# Altium PCB Proyecto_0-Buck_Up.PcbDoc (part 3 of 5) (continued)
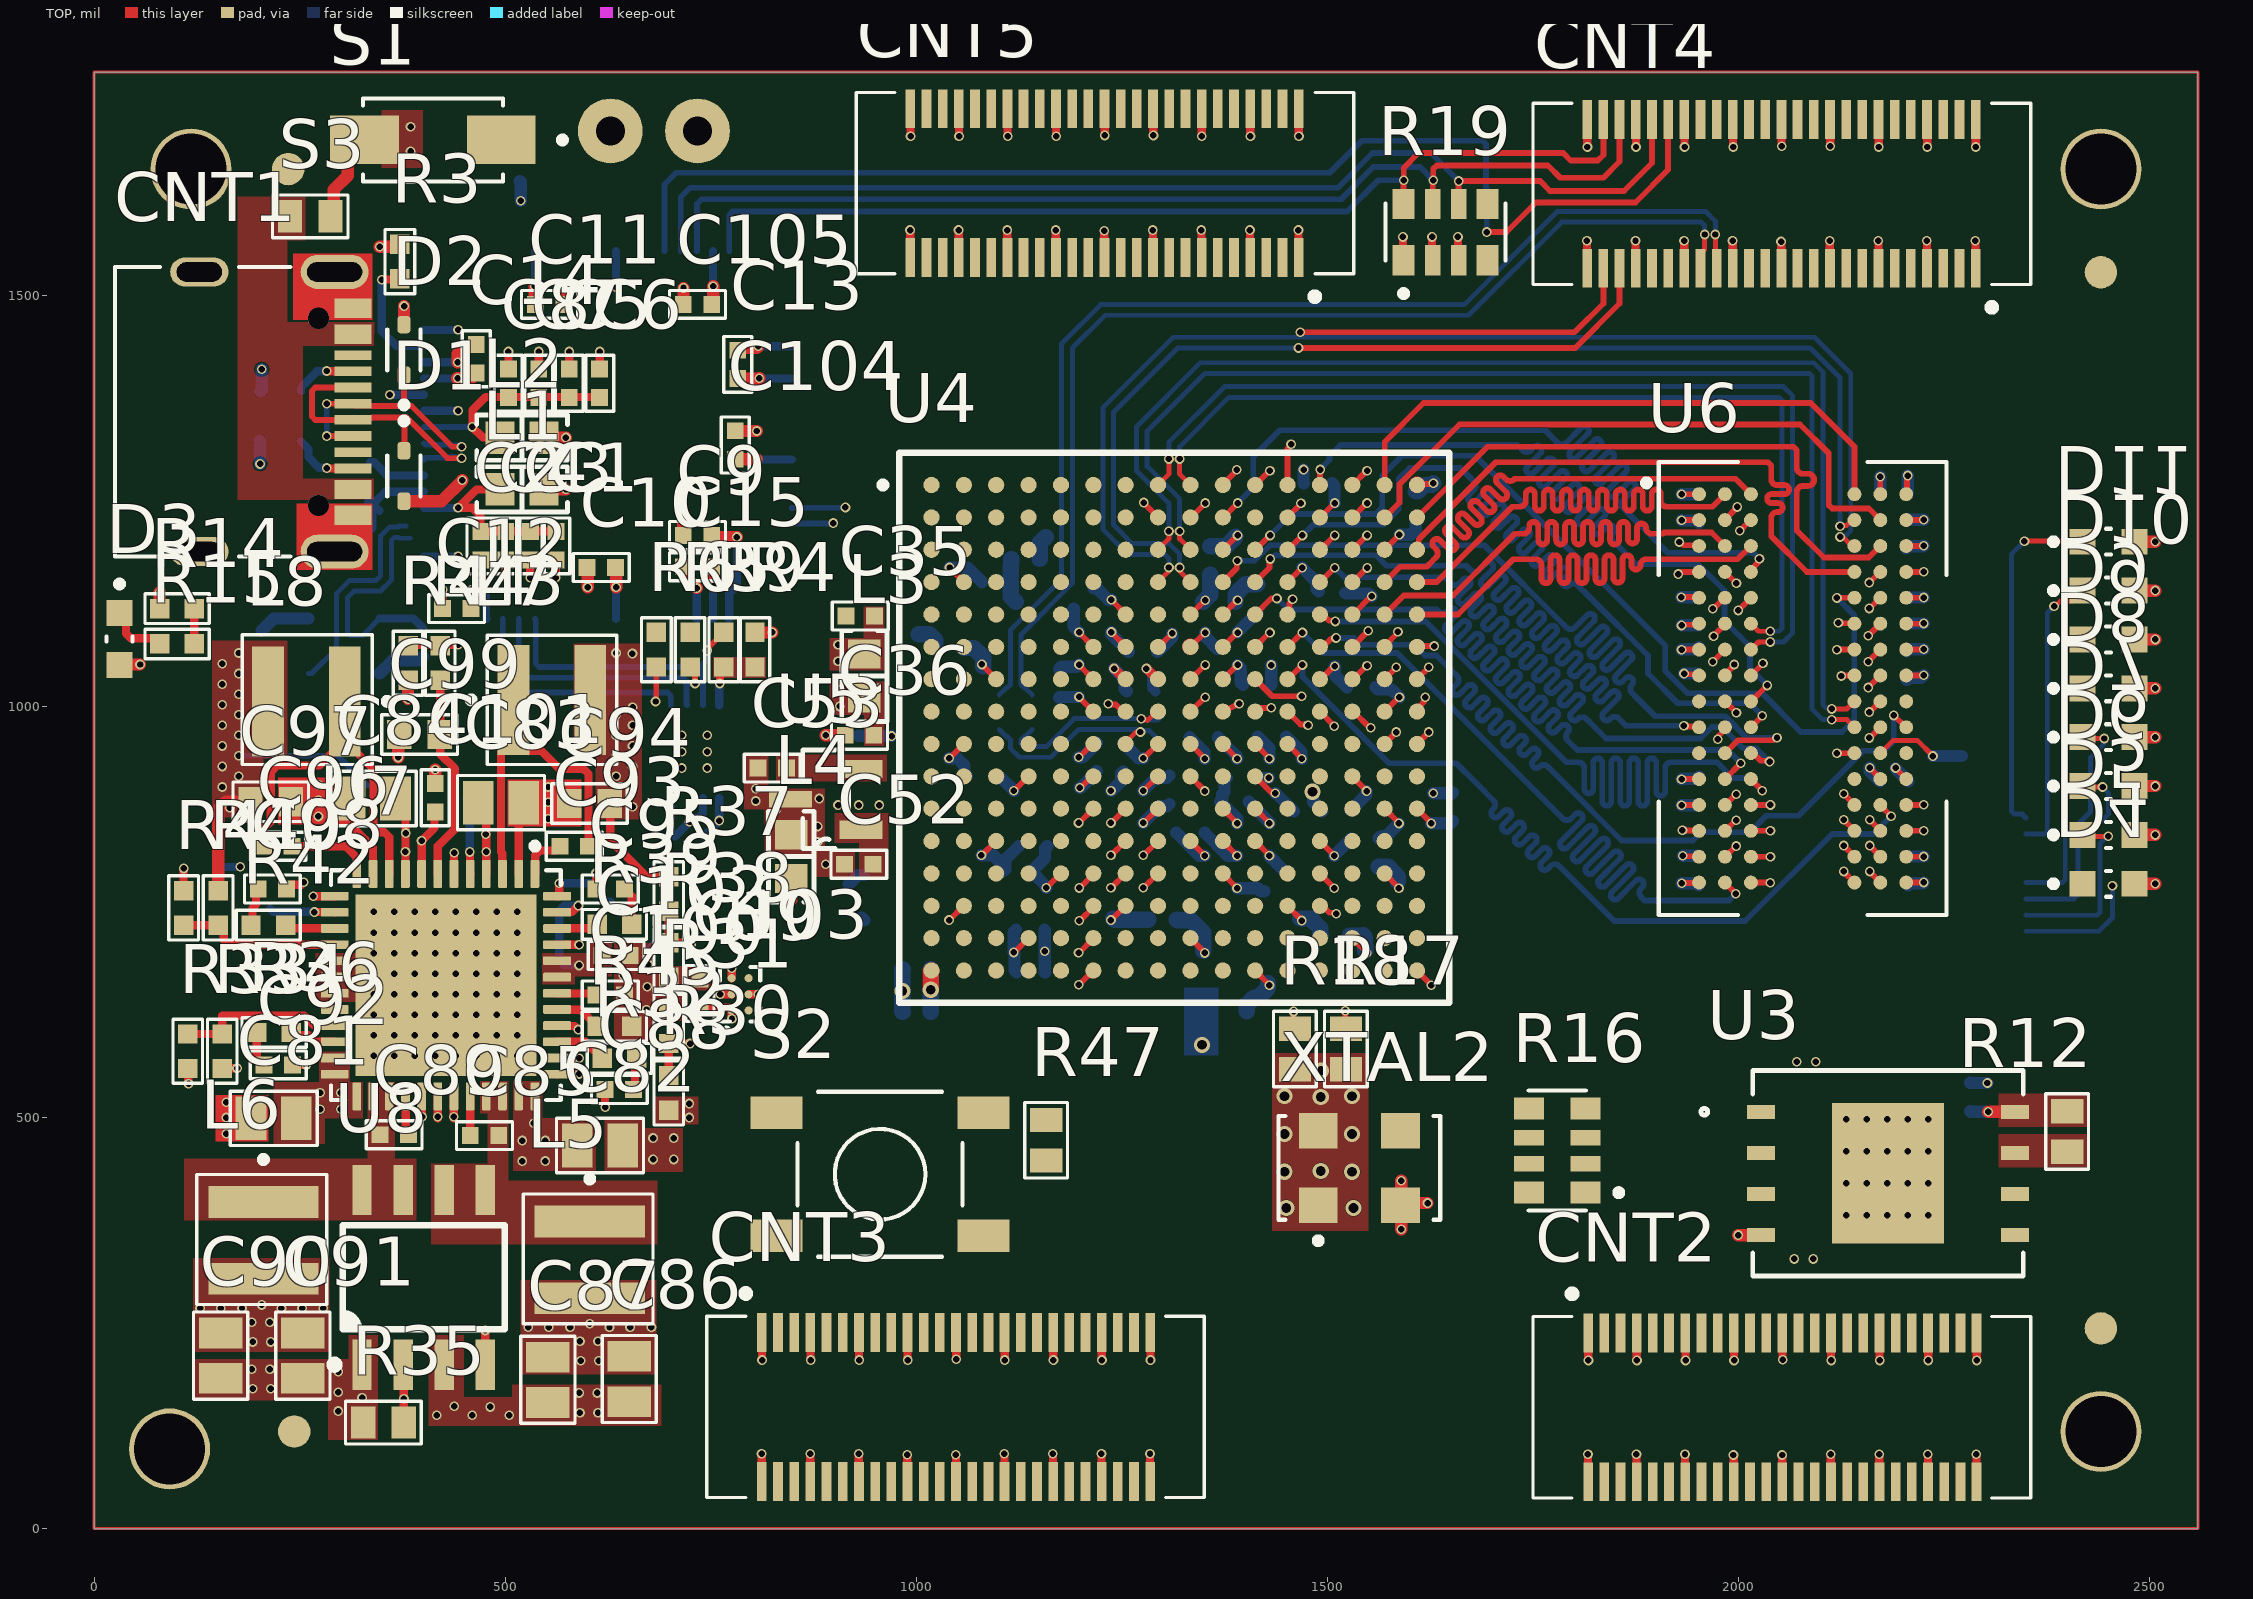
[diagram p0: TOP view]
## Nets (pads, with @x,y where several pads share a name; then routed paths per layer and width w, separated by ;. In a path a pad name is that pad's centre, name@x,y a point inside that pad or via, vN(x,y) a via of type N, cw(c..) or ccw(c..) an arc to the next point about the centre after c; other vN are vias at no path point) (continued)
  TOP w15: R14.2@80,1119 v1(80,1139) ; v1(347.41,1558.96) 368.96,1558.96 R3.1@372,1562 ; v1(536,1511) 536,1489.68 C11.2@536.68,1489 ; L1.1@547.15,1264 v1(574,1264) ; L2.1@547.15,1327 v1(574,1327) ; C10.2@634.32,1169 635,1168.32 v1(635,1145) ; C15.2@751.32,1170 753,1168.32 v1(753,1146) ; C105.2@751.32,1490 753,1491.68 v1(753,1511) ; C104.2@780,1300.68 805.68,1300.68 v1(806,1301) ; R4.2@804,1090 v1(825,1090) ; v1(2304,507) U3.8@2336.5,507
  TOP w20: R17.1@1522.73,558.74 R17.1@1523.73,559.74
  Bottom Layer w10: v1(536,1511) 536.21,1511.21 536.21,1553.41 U1.20@536.42,1553.62 ; U1.56@634.84,1106.38 634.92,1106.46 634.92,1144.92 v1(635,1145) ; U2.8@701.47,888.5 701.59,888.39 701.59,847.09 C18.2@706.68,842 v1(724.34,859.66) 728.68,864 734.87,864 740.72,869.86 740.72,888.39 U2.6@740.84,888.5 ; U1.50@752.95,1106.38 U1.50@752.95,1106.38 v1(753,1146) ; v1(753,1511) U1.31@752.95,1553.62 ; v1(806,1301) 806.53,1300.47 U1.42@848.62,1300.47 ; v1@2303.32,507.68 v1(2304,507)
  Bottom Layer w15: v1(1040.02,937) 1049.88,937 1058.67,928.21 1058.67,918.08 C25.2@1061.41,915.34 ; C30.2@1215.98,1143.59 1219.85,1143.59 1233.62,1129.82 v1(1237.46,1129.82) ; C29.2@1316.41,846.34 1344.45,818.3 v1(1350.95,818.3) ; v1(1390.32,778.93) 1415.77,778.93 1419.61,775.09 C24.2@1423.48,775.09 ; v1(1508.43,818.3) 1508.43,818.72 C31.2@1528.73,839.02 ; C32.2@1562.73,839.67 1565.47,842.4 1571.9,842.4 v1(1587.17,857.67) ; v1(1626.54,857.67) 1626.83,857.96 1649.99,857.96 C27.2@1652.73,860.7 ; C19.2@2282,507.68 2282.68,507 v1(2304,507)
  Bottom Layer w20: 1003.05,1087.96 1016,1087.96 1023.17,1080.79 1023.17,1071.58 C20.2@1023.41,1071.34 ; C23.2@1114.68,1151.23 C22.2@1115.41,1179.34 ; C23.2@1114.94,1151.19 1114.91,1150.99 1114.91,1133.57 1121.16,1127.33 ; v1@1239.36,741.96 1240.97,740.34 C21.2@1282.41,740.34 ; C33.2@1402.29,629.34 1402.29,637.22 1410.99,645.92 1416.17,645.92 1427.88,657.63 v1@1427.88,663.31 ; C28.2@1527.05,721.34 1543.61,721.47 1545.87,719.23 v1@1545.99,702.68
  other v1: 592,204 614,204 591,228 613,228 528,245 553,245 579,245 627,245 652,245 678,245 603,249 2068,328 2091,328 724,500 724,517 2071,568 2094,568 1429.69,660.82 1547.8,700.19 1236.87,740.15 1197.5,858.26
  other v2: 1448,480 1530,480 1492,525 1448,526 1530,526 1492,557
+3V3/+1V8: C45.2 C46.2 C47.2 C48.2 C49.2 C50.2 C51.2 U4.M3 U4.R4 U4.T1 U9.B1 | length 269.6
  TOP w7: v1@1079.78,818.89 U4.M3@1097.16,836.26 ; v1@1119.15,700.78 U4.R4@1136.53,718.15
  TOP w20: v2(1017.73,655.34) 1017.73,677.9 U4.T1@1018.61,678.78
  Bottom Layer w15: C51.2@917.61,783.48 929.13,795 C51.2@937,795 ; v1(1079.39,818.89) 1093.88,818.89 1102.67,810.1 ; C49.2@1105.41,799.34 1108.14,802.08 1108.14,813.47 C50.2@1124.68,830 ; C48.2@1121.41,728.34 1118.76,725.7 v1(1118.76,700.78) 1119.67,699.87 1119.67,679.08 C47.2@1122.41,676.34
  Bottom Layer w20: C46.2@1018.05,628.34 1017.82,628.58 1017.82,655.26 v2(1017.73,655.34) 1017.82,655.43 1017.82,680.11 C45.2@1018.05,680.34
+5V: C81.2 C82.2 C83.2 C84.2 CNT2.1 CNT2.50 CNT3.1 CNT3.50 CNT4.1 CNT4.50 CNT5.1 CNT5.50 pad.Supply+@628,1700 S1.C U7.4 U7.9 U7.23 U7.24 U7.25 U7.35 U7.36 | length 457.1
  TOP w10: C84.2@366.56,888 378.79,875.77 U7.9@378.79,796.24 ; C83.2@467.44,883 477.21,873.23 U7.4@477.21,796.24 ; v1(811.94,91) 812.1,90.84 812.1,57.61 CNT3.50@812.26,57.45 ; CNT3.1@812.26,238.55 812.42,238.39 812.42,205.16 v1(812.57,205) ; v1(1464.96,1579.45) 1465.12,1579.29 1465.12,1546.06 CNT5.1@1465.28,1545.9 ; CNT5.50@1465.28,1727 1465.43,1726.84 1465.43,1693.61 v1(1465.59,1693.45) ; v1(1817,90.55) 1817.16,90.39 1817.16,57.16 CNT2.50@1817.31,57 ; CNT2.1@1817.31,238.1 1817.47,237.94 1817.47,204.71 v1(1817.63,204.55) ; v1(2288.28,1566.45) 2288.43,1566.29 2288.43,1533.06 CNT4.1@2288.59,1532.9 ; CNT4.50@2288.59,1714 2288.75,1713.84 2288.75,1680.61 v1(2288.91,1680.45)
  other v1: 521,447 549,447 521,472 549,472 535,493 275,530 300,530 378.79,823.2 477.18,823.17 476.44,844.52 379,846
AD4_N: CNT5.3 U4.A7
AD4_P: CNT5.2 U4.B7
AD5_N: CNT5.6 U4.A4
AD5_P: CNT5.5 U4.A5
AD6_N: CNT5.12 U4.C2
AD6_P: CNT5.11 U4.C3
AD7_N: CNT5.15 U4.B1
AD7_P: CNT5.14 U4.C1
AD12_N: CNT5.48 U4.B5
AD12_P: CNT5.49 U4.B6
AD13_N: CNT5.9 U4.C6
AD13_P: CNT5.8 U4.C7
AD14_N: CNT5.39 U4.A2
AD14_P: CNT5.40 U4.B2
AD15_N: CNT5.36 U4.D1
AD15_P: CNT5.37 U4.E2
ADC_IN_N: C55.1 R21.1 U4.J7 | length 260.4
  TOP w6: U4.J7@1254.83,954.37 1254.83,956.3 v1@1266.92,968.39
  Bottom Layer w6: R21.1@1101,972 1109.81,963.19 1110.99,963.19 1114.5,959.67 1114.5,949.32 1125.63,938.19 1163.57,938.19 1197.58,972.19 1267.88,972.19 1271.16,968.91 v1(1272.73,968.91) 1273.84,970.02 1277.95,970.02 1278.48,970.55 1283.64,970.55 1291.76,962.42 1291.76,961.59 C55.1@1299,954.35
ADC_IN_P: C55.2 R20.1 U4.H8 | length 233.2
  TOP w6: 1279.78,984.08 1281.19,982.66 1292.28,993.74 U4.H8@1294.2,993.74
  Bottom Layer w6: R20.1@1141,972 1132.19,963.19 1131.01,963.19 1127.5,959.67 1127.5,954.7 1131.01,951.19 1158.19,951.19 1192.19,985.19 v1(1273.69,985.19) 1274.81,984.08 1278.91,984.08 1279.44,983.55 1293.55,983.55 C55.2@1299,989
ADD0: U4.C13 U6.N3 | length 1161.1
  TOP w7: U4.C13@1491.05,1190.6 1491.44,1190.6 1508.82,1207.97 v1(1509.21,1207.97) ; U6.N3@2015.22,880.2 v1(2039.01,880.22)
  Signal[2] w6: v1(1509.21,1207.97) 1532.18,1185 1552,1185 1574,1163 1579,1163 1582,1163 ccw(c1582,1169) 1588,1169 1588,1174.62 cw(c1592.97,1174.62) 1597.94,1174.62 1597.94,1152.78 ccw(c1602.91,1152.78) 1607.87,1152.78 1607.87,1174.62 cw(c1612.84,1174.62) 1617.81,1174.62 1617.81,1152.78 ccw(c1622.78,1152.78) 1627.75,1152.78 1627.75,1174.62 cw(c1632.72,1174.62) 1637.69,1174.62 1637.69,1152.78 ccw(c1642.65,1152.78) 1647.62,1152.78 1647.62,1174.62 cw(c1652.59,1174.62) 1657.56,1174.62 1657.56,1152.78 ccw(c1662.53,1152.78) 1667.5,1152.78 1667.5,1174.62 cw(c1672.46,1174.62) 1677.43,1174.62 1677.43,1152.78 ccw(c1682.4,1152.78) 1687.37,1152.78 1687.37,1157 cw(c1693.37,1157) 1693.37,1163 1699,1163 1706.08,1155.92 1712.5,1149.5 1721.65,1140.35 cw(c1717.41,1136.11) 1721.65,1131.87 1718.43,1128.65 ccw(c1721.94,1125.14) 1718.43,1121.62 ccw(c1721.94,1125.14) 1725.46,1121.62 1732.94,1129.11 cw(c1736.45,1125.59) 1739.97,1129.1 cw(c1736.45,1125.59) 1739.97,1122.08 1732.48,1114.6 ccw(c1736,1111.08) 1732.48,1107.57 ccw(c1736,1111.08) 1739.51,1107.57 1746.99,1115.05 cw(c1750.51,1111.54) 1754.02,1115.05 cw(c1750.51,1111.54) 1754.02,1108.03 1746.54,1100.54 ccw(c1750.05,1097.03) 1746.54,1093.52 ccw(c1750.05,1097.03) 1753.56,1093.52 1761.05,1101 cw(c1764.56,1097.49) 1768.07,1101 cw(c1764.56,1097.49) 1768.07,1093.97 1760.59,1086.49 ccw(c1764.1,1082.98) 1760.59,1079.46 ccw(c1764.1,1082.98) 1767.62,1079.46 1775.1,1086.95 cw(c1778.61,1083.43) 1782.13,1086.95 cw(c1778.61,1083.43) 1782.13,1079.92 1776.65,1074.45 ccw(c1780.17,1070.93) 1776.65,1067.42 ccw(c1780.17,1070.93) 1783.68,1067.42 1789.13,1072.87 cw(c1792.64,1069.36) 1796.16,1072.87 cw(c1792.64,1069.36) 1796.16,1065.84 1791.91,1061.6 ccw(c1795.43,1058.09) 1791.91,1054.57 ccw(c1795.43,1058.09) 1798.94,1054.57 cw(c1803.18,1050.33) 1807.43,1054.57 1814,1048 1814,1045.72 1814,1036 1926.02,923.98 1939.98,923.98 1983.74,880.22 v1(2039.01,880.22)
ADD1: U4.B9 U6.P7 | length 1161.6
  TOP w7: U4.B9@1333.57,1229.97 1334.35,1229.97 v1(1351.73,1247.34) ; v1(2128.19,862.33) 2128.19,862.02 2141.2,849.01 U6.P7@2141.2,848.7
  Signal[2] w6: v1(1351.73,1247.34) 1381.39,1277 1424.57,1277 1425.76,1275.81 1523.19,1275.81 1538.5,1260.5 1813.5,1260.5 1839,1235 1841.12,1232.88 ccw(c1845.36,1237.12) 1849.61,1232.88 1855.86,1239.14 cw(c1859.38,1235.62) 1862.89,1239.14 cw(c1859.38,1235.62) 1862.89,1232.11 1856.63,1225.85 ccw(c1860.88,1221.61) 1856.63,1217.37 1900.31,1173.69 1906.5,1167.5 1906.5,1043.5 1944,1006 2055,1006 2090,971 2090,879 2106.67,862.33 v1(2128.19,862.33)
ADD2: U4.F14 U6.P3 | length 1159.8
  TOP w7: U4.F14@1530.62,1072.49 1530.62,1072.62 1549.94,1091.94 v1(1550,1091.94) ; U6.P3@2015.22,848.7 v1(2039.01,848.72)
  Signal[2] w6: v1(1550,1091.94) 1550.53,1091.94 1560.81,1102.21 1655.73,1102.21 1666.97,1090.97 1669.09,1088.85 ccw(c1673.33,1093.09) 1677.58,1088.85 1679.58,1090.85 cw(c1683.1,1087.34) 1686.61,1090.85 cw(c1683.1,1087.34) 1686.61,1083.83 1667.24,1064.46 ccw(c1670.76,1060.95) 1667.24,1057.43 ccw(c1670.76,1060.95) 1674.27,1057.43 1693.64,1076.8 cw(c1697.15,1073.29) 1700.66,1076.8 cw(c1697.15,1073.29) 1700.66,1069.77 1681.3,1050.41 ccw(c1684.81,1046.89) 1681.3,1043.38 ccw(c1684.81,1046.89) 1688.32,1043.38 1707.69,1062.75 cw(c1711.2,1059.23) 1714.71,1062.75 cw(c1711.2,1059.23) 1714.71,1055.72 1695.35,1036.35 ccw(c1698.86,1032.84) 1695.35,1029.33 ccw(c1698.86,1032.84) 1702.38,1029.33 1721.74,1048.69 cw(c1725.25,1045.18) 1728.77,1048.69 cw(c1725.25,1045.18) 1728.77,1041.67 1709.4,1022.3 ccw(c1712.91,1018.79) 1709.4,1015.28 ccw(c1712.91,1018.79) 1716.43,1015.28 1735.79,1034.64 cw(c1739.31,1031.13) 1742.82,1034.64 cw(c1739.31,1031.13) 1742.82,1027.61 1723.45,1008.25 ccw(c1726.97,1004.74) 1723.45,1001.22 ccw(c1726.97,1004.74) 1730.48,1001.22 1749.85,1020.59 cw(c1753.36,1017.08) 1756.87,1020.59 cw(c1753.36,1017.08) 1756.87,1013.56 1737.51,994.2 ccw(c1741.02,990.68) 1737.51,987.17 ccw(c1741.02,990.68) 1744.53,987.17 1763.9,1006.54 cw(c1767.41,1003.02) 1770.93,1006.54 cw(c1767.41,1003.02) 1770.93,999.51 1751.56,980.14 ccw(c1755.07,976.63) 1751.56,973.12 ccw(c1755.07,976.63) 1758.59,973.12 1777.95,992.48 cw(c1781.47,988.97) 1784.98,992.48 cw(c1781.47,988.97) 1784.98,985.46 1770.43,970.91 ccw(c1773.95,967.4) 1770.43,963.88 ccw(c1773.95,967.4) 1777.46,963.88 1781.52,967.94 cw(c1785.76,963.7) 1790,967.94 1795,962.94 1801.91,956.03 1804.03,953.91 1894.94,863 1950,863 1964.28,848.72 v1(2039.01,848.72)
ADD3: U4.C14 U6.N2 | length 1160.5
  TOP w7: U4.C14@1530.62,1190.6 v1@1548,1207.97 ; U6.N2@1983.72,880.2 1984.03,880.2 1997.04,893.21 v1(1997.35,893.21)
  Signal[2] w6: v1(1548.39,1207.97) 1564.36,1192 1724,1192 1731,1185 1733.12,1182.88 ccw(c1737.36,1187.12) 1741.61,1182.88 1752.29,1193.56 cw(c1755.8,1190.05) 1759.31,1193.56 cw(c1755.8,1190.05) 1759.31,1186.53 1733.96,1161.17 ccw(c1737.47,1157.66) 1733.96,1154.15 ccw(c1737.47,1157.66) 1740.98,1154.15 1766.34,1179.51 cw(c1769.85,1175.99) 1773.37,1179.51 cw(c1769.85,1175.99) 1773.37,1172.48 1748.01,1147.12 ccw(c1751.52,1143.61) 1748.01,1140.1 ccw(c1751.52,1143.61) 1755.04,1140.1 1780.39,1165.45 cw(c1783.91,1161.94) 1787.42,1165.45 cw(c1783.91,1161.94) 1787.42,1158.43 1762.06,1133.07 ccw(c1765.58,1129.56) 1762.06,1126.04 ccw(c1765.58,1129.56) 1769.09,1126.04 1794.45,1151.4 cw(c1797.96,1147.89) 1801.47,1151.4 cw(c1797.96,1147.89) 1801.47,1144.37 1776.12,1119.02 ccw(c1779.63,1115.5) 1776.12,1111.99 ccw(c1779.63,1115.5) 1783.14,1111.99 1808.5,1137.35 cw(c1812.01,1133.83) 1815.53,1137.35 cw(c1812.01,1133.83) 1815.53,1130.32 1790.17,1104.96 ccw(c1793.68,1101.45) 1790.17,1097.94 ccw(c1793.68,1101.45) 1797.2,1097.94 1822.55,1123.29 cw(c1826.07,1119.78) 1829.58,1123.29 cw(c1826.07,1119.78) 1829.58,1116.27 1804.32,1091.01 ccw(c1807.83,1087.5) 1804.32,1083.98 ccw(c1807.83,1087.5) 1811.35,1083.98 1825.93,1098.56 cw(c1829.44,1095.05) 1832.95,1098.56 cw(c1829.44,1095.05) 1832.95,1091.53 ccw(c1837.19,1087.29) 1832.95,1083.05 1841.5,1074.5 1845,1071 1845,1025 1929,941 1949.56,941 v1(1997.35,893.21)
ADD4: U4.A14 U6.P8 | length 1160.5
  TOP w7: U4.A14@1530.62,1269.34 v1@1548,1286.71 ; v1(2159.69,862.33) 2159.69,862.02 2172.7,849.01 U6.P8@2172.7,848.7
  Signal[2] w6: v1(1548.39,1286.71) 1832,1286.71 1844.94,1286.71 cw(c1844.94,1280.71) 1850.94,1280.71 1850.94,1264.77 ccw(c1855.91,1264.77) 1860.87,1264.77 1860.87,1286.75 cw(c1865.84,1286.75) 1870.81,1286.75 1870.81,1264.77 ccw(c1875.78,1264.77) 1880.75,1264.77 1880.75,1286.75 cw(c1885.72,1286.75) 1890.69,1286.75 1890.69,1267.56 ccw(c1895.65,1267.56) 1900.62,1267.56 1900.62,1280.71 cw(c1906.62,1280.71) 1906.62,1286.71 1916,1286.71 1928.29,1286.71 1951,1264 1951,1052 1964.79,1038.21 2053.79,1038.21 2102.79,989.21 2102.79,893.21 2119.28,876.72 2145.3,876.72 v1(2159.69,862.33)
ADD5: U4.E12 U6.P2 | length 1156
  TOP w7: U4.E12@1451.68,1111.86 1454.11,1114.28 1454.11,1125.42 1457.73,1129.04 v1(1457.73,1130.34) ; U6.P2@1983.72,848.7 1984.03,848.7 1997.04,861.71 v1(1997.35,861.71)
  Signal[2] w6: v1(1457.73,1130.34) 1518.34,1130.34 1528.69,1120 1568,1120 1587.5,1139.5 1673.5,1139.5 1679,1134 1688.15,1124.85 cw(c1683.91,1120.61) 1688.15,1116.37 1685.65,1113.87 ccw(c1689.17,1110.36) 1685.65,1106.84 ccw(c1689.17,1110.36) 1692.68,1106.84 1700.34,1114.51 cw(c1703.86,1111) 1707.37,1114.51 cw(c1703.86,1111) 1707.37,1107.48 1699.71,1099.82 ccw(c1703.22,1096.3) 1699.71,1092.79 ccw(c1703.22,1096.3) 1706.73,1092.79 1714.4,1100.46 cw(c1717.91,1096.94) 1721.42,1100.46 cw(c1717.91,1096.94) 1721.42,1093.43 1713.76,1085.76 ccw(c1717.27,1082.25) 1713.76,1078.74 ccw(c1717.27,1082.25) 1720.78,1078.74 1728.45,1086.4 cw(c1731.96,1082.89) 1735.48,1086.4 cw(c1731.96,1082.89) 1735.48,1079.38 1727.81,1071.71 ccw(c1731.32,1068.2) 1727.81,1064.68 ccw(c1731.32,1068.2) 1734.84,1064.68 1742.5,1072.35 cw(c1746.02,1068.84) 1749.53,1072.35 cw(c1746.02,1068.84) 1749.53,1065.32 1741.86,1057.66 ccw(c1745.38,1054.14) 1741.86,1050.63 ccw(c1745.38,1054.14) 1748.89,1050.63 1756.56,1058.3 cw(c1760.07,1054.78) 1763.58,1058.3 cw(c1760.07,1054.78) 1763.58,1051.27 1755.92,1043.61 ccw(c1759.43,1040.09) 1755.92,1036.58 ccw(c1759.43,1040.09) 1762.94,1036.58 1770.61,1044.24 cw(c1774.12,1040.73) 1777.64,1044.24 cw(c1774.12,1040.73) 1777.64,1037.22 1769.97,1029.55 ccw(c1773.48,1026.04) 1769.97,1022.53 ccw(c1773.48,1026.04) 1777,1022.53 1784.66,1030.19 cw(c1788.18,1026.68) 1791.69,1030.19 cw(c1788.18,1026.68) 1791.69,1023.16 1784.02,1015.5 ccw(c1787.54,1011.99) 1784.02,1008.47 ccw(c1787.54,1011.99) 1791.05,1008.47 1798.72,1016.14 cw(c1802.23,1012.63) 1805.74,1016.14 cw(c1802.23,1012.63) 1805.74,1009.11 1798.08,1001.45 ccw(c1801.59,997.93) 1798.08,994.42 ccw(c1801.59,997.93) 1805.1,994.42 1812.77,1002.09 cw(c1816.28,998.57) 1819.8,1002.09 cw(c1816.28,998.57) 1819.8,995.06 1812.13,987.39 ccw(c1815.64,983.88) 1812.13,980.37 ccw(c1815.64,983.88) 1819.16,980.37 1826.82,988.03 cw(c1830.34,984.52) 1833.85,988.03 cw(c1830.34,984.52) 1833.85,981.01 1826.18,973.34 ccw(c1829.7,969.83) 1826.18,966.31 ccw(c1829.7,969.83) 1833.21,966.31 1840.88,973.98 cw(c1844.39,970.47) 1847.9,973.98 cw(c1844.39,970.47) 1847.9,966.95 1840.24,959.29 ccw(c1843.75,955.77) 1840.24,952.26 ccw(c1843.75,955.77) 1847.26,952.26 1854.93,959.93 cw(c1858.44,956.41) 1861.95,959.93 cw(c1858.44,956.41) 1861.95,952.9 1854.29,945.23 ccw(c1857.8,941.72) 1854.29,938.21 ccw(c1857.8,941.72) 1861.32,938.21 1868.98,945.87 cw(c1872.49,942.36) 1876.01,945.87 cw(c1872.49,942.36) 1876.01,938.85 1868.34,931.18 ccw(c1871.85,927.67) 1868.34,924.15 ccw(c1871.85,927.67) 1875.37,924.15 1877.86,926.65 cw(c1882.11,922.41) 1886.35,926.65 1896.47,916.53 1918,895 1939,895 1972.29,861.71 v1(1997.35,861.71)
ADD6: U4.B14 U6.R8 | length 1156.5
  TOP w7: U4.B14@1530.62,1229.97 v1@1548,1247.34 ; v1(2159.69,830.83) 2159.69,830.53 2172.7,817.52 U6.R8@2172.7,817.21
  Signal[2] w6: v1(1548.39,1247.34) 1775.66,1247.34 1776.03,1246.97 1785.18,1237.82 cw(c1780.94,1233.58) 1785.18,1229.33 1779.44,1223.59 ccw(c1782.96,1220.08) 1779.44,1216.57 ccw(c1782.96,1220.08) 1786.47,1216.57 1798.64,1228.73 cw(c1802.15,1225.22) 1805.66,1228.73 cw(c1802.15,1225.22) 1805.66,1221.71 1793.5,1209.54 ccw(c1797.01,1206.03) 1793.5,1202.51 ccw(c1797.01,1206.03) 1800.52,1202.51 1812.69,1214.68 cw(c1816.2,1211.17) 1819.72,1214.68 cw(c1816.2,1211.17) 1819.72,1207.65 1807.55,1195.49 ccw(c1811.06,1191.97) 1807.55,1188.46 ccw(c1811.06,1191.97) 1814.57,1188.46 1826.74,1200.63 cw(c1830.26,1197.12) 1833.77,1200.63 cw(c1830.26,1197.12) 1833.77,1193.6 1821.6,1181.43 ccw(c1825.11,1177.92) 1821.6,1174.41 ccw(c1825.11,1177.92) 1828.63,1174.41 1840.8,1186.58 cw(c1844.31,1183.06) 1847.82,1186.58 cw(c1844.31,1183.06) 1847.82,1179.55 1835.65,1167.38 ccw(c1839.17,1163.87) 1835.65,1160.35 ccw(c1839.17,1163.87) 1842.68,1160.35 1848.42,1166.09 cw(c1852.66,1161.85) 1856.91,1166.09 1878.85,1144.15 1888.42,1134.58 1888.42,1037.42 1949.85,976 2063,976 2077.5,961.5 2077.5,858.5 2086,850 2126.95,850 2145,831.95 2158.58,831.95 v1(2159.69,830.83)
ADD7: U4.G14 U6.R2 | length 1161.1
  TOP w7: U4.G14@1530.62,1033.12 1531.17,1033.12 1547.65,1049.59 v1(1548.39,1049.59) ; U6.R2@1983.72,817.21 1984.03,817.21 1997.04,830.22 v1(1997.35,830.22)
  Signal[2] w6: v1(1548.39,1049.59) 1549.29,1050.49 1567.23,1050.49 1578.73,1062 1650,1062 1752.5,959.5 1761.65,950.35 cw(c1757.41,946.11) 1761.65,941.87 1734.59,914.81 ccw(c1738.1,911.3) 1734.59,907.78 ccw(c1738.1,911.3) 1741.62,907.78 1772.94,939.11 cw(c1776.45,935.59) 1779.97,939.1 cw(c1776.45,935.59) 1779.97,932.08 1748.64,900.76 ccw(c1752.16,897.24) 1748.64,893.73 ccw(c1752.16,897.24) 1755.67,893.73 1786.99,925.05 cw(c1790.51,921.54) 1794.02,925.05 cw(c1790.51,921.54) 1794.02,918.03 1762.7,886.7 ccw(c1766.21,883.19) 1762.7,879.68 ccw(c1766.21,883.19) 1769.72,879.68 1801.05,911 cw(c1804.56,907.49) 1808.07,911 cw(c1804.56,907.49) 1808.07,903.97 1776.75,872.65 ccw(c1780.26,869.14) 1776.75,865.62 ccw(c1780.26,869.14) 1783.78,865.62 1815.1,896.95 cw(c1818.61,893.43) 1822.13,896.95 cw(c1818.61,893.43) 1822.13,889.92 1790.8,858.6 ccw(c1794.32,855.08) 1790.8,851.57 ccw(c1794.32,855.08) 1797.83,851.57 1829.15,882.89 cw(c1832.67,879.38) 1836.18,882.89 cw(c1832.67,879.38) 1836.18,875.87 1812.42,852.11 ccw(c1815.94,848.6) 1812.42,845.08 ccw(c1815.94,848.6) 1819.45,845.08 1838.94,864.58 cw(c1843.18,860.33) 1847.43,864.57 1877,835 1881.78,830.22 v1(1997.35,830.22)
ADD8: U4.H12 U6.T8 | length 1152.7
  TOP w7: U4.H12@1451.68,993.55 1451.88,993.55 1467.51,977.92 1475.67,977.92 v1(1476.59,977) ; v1(2159.69,799.34) 2159.69,799.03 2172.7,786.02 U6.T8@2172.7,785.71
  Signal[2] w6: v1(1476.59,977) 1476.59,953.41 1508,922 1637,922 1657,902 1657,751 1703,705 1708.69,705 1721.31,705 cw(c1721.31,699) 1727.31,699 1727.31,691.88 ccw(c1732.28,691.88) 1737.25,691.88 1737.25,714.89 cw(c1742.22,714.89) 1747.19,714.89 1747.19,690.97 ccw(c1752.16,690.97) 1757.13,690.97 1757.13,714.89 cw(c1762.09,714.89) 1767.06,714.89 1767.06,690.97 ccw(c1772.03,690.97) 1777,690.97 1777,699 cw(c1783,699) 1783,705 1786,705 2099,705 2159.69,765.69 v1(2159.69,799.34)
ADD9: U4.G11 U6.R3 | length 1161
  TOP w7: U4.G11@1412.31,1033.12 1433.09,1012.34 v1(1468.73,1012.34) ; U6.R3@2015.22,817.21 v1(2039.01,817.22)
  Signal[2] w6: v1(1468.73,1012.34) 1486.39,1030 1650,1030 1723,957 1723,810 1729,804 1733,804 1736,804 ccw(c1736,810) 1742,810 1742,810.9 cw(c1746.97,810.9) 1751.94,810.9 1751.94,785.97 ccw(c1756.91,785.97) 1761.87,785.97 1761.87,810.9 cw(c1766.84,810.9) 1771.81,810.9 1771.81,785.97 ccw(c1776.78,785.97) 1781.75,785.97 1781.75,810.9 cw(c1786.72,810.9) 1791.69,810.9 1791.69,785.97 ccw(c1796.65,785.97) 1801.62,785.97 1801.62,810.9 cw(c1806.59,810.9) 1811.56,810.9 1811.56,785.97 ccw(c1816.53,785.97) 1821.5,785.97 1821.5,810.9 cw(c1826.46,810.9) 1831.43,810.9 1831.43,790.57 ccw(c1836.4,790.57) 1841.37,790.57 1841.37,810 cw(c1846.34,810) 1851.31,810 ccw(c1857.31,810) 1857.31,804 1899,804 2025.78,804 v1(2039.01,817.22)
ADD10: U4.A10 U6.L7 | length 1161.5
  TOP w7: U4.A10@1372.94,1269.34 1372.94,1270.1 1389.98,1287.14 v1(1389.98,1287.91) ; v1(2119.92,942.95) 2120.16,943.19 U6.L7@2141.2,943.19
  Signal[2] w6: v1(1389.98,1287.91) 1390.05,1287.91 1402.14,1300 1970,1300 1982.94,1300 cw(c1982.94,1294) 1988.94,1294 1988.94,1284.66 ccw(c1993.91,1284.66) 1998.87,1284.66 1998.87,1300 cw(c2003.84,1300) 2008.81,1300 2008.81,1294 ccw(c2013.78,1294) 2018.75,1294 cw(c2024.75,1294) 2024.75,1300 2044.29,1300 2051,1300 2055,1296 2055,1083.49 2130,1008.49 2130,969.8 2119.92,959.72 v1(2119.92,942.95)
ADD11: U4.B12 U6.R7 | length 1161.1
  TOP w7: U4.B12@1451.68,1229.97 1451.68,1230.33 1468,1246.64 v1(1468,1247) ; v1(2128.19,830.83) 2128.19,830.53 2141.2,817.52 U6.R7@2141.2,817.21
  Signal[2] w6: v1(1468,1247) 1479.7,1235.3 1479.7,1233.38 1485.07,1228 1597,1228 1609.94,1228 cw(c1609.94,1222) 1615.94,1222 1615.94,1214.29 ccw(c1620.91,1214.29) 1625.87,1214.29 1625.87,1228.03 cw(c1630.84,1228.03) 1635.81,1228.03 1635.81,1214.29 ccw(c1640.78,1214.29) 1645.75,1214.29 1645.75,1228.03 cw(c1650.72,1228.03) 1655.69,1228.03 1655.69,1214.29 ccw(c1660.65,1214.29) 1665.62,1214.29 1665.62,1228.03 cw(c1670.59,1228.03) 1675.56,1228.03 1675.56,1214.29 ccw(c1680.53,1214.29) 1685.5,1214.29 1685.5,1228.03 cw(c1690.46,1228.03) 1695.43,1228.03 1695.43,1218.39 ccw(c1700.4,1218.39) 1705.37,1218.39 1705.37,1222 cw(c1711.37,1222) 1711.37,1228 1738.57,1228 1745,1228 1870.5,1102.5 1870.5,1024.5 1938,957 1958,957 1968,947 2055.49,947 2059,943.49 2059,834.35 2062.51,830.83 v1(2128.19,830.83)
ADD12: U4.A12 U6.N7 | length 1152.8
  TOP w7: U4.A12@1451.68,1269.34 1451.68,1313.38 1456,1317.7 v1(1456,1319) ; v1(2128.19,893.83) 2128.19,893.52 2141.2,880.51 U6.N7@2141.2,880.2
  Signal[2] w6: v1(1456,1319) 2083,1319 2096,1306 2096,1110 2142,1064 2142,949.61 2128.19,935.8 v1(2128.19,893.83)
ADD13: U4.H11 U6.T3 | length 1153.2
  TOP w7: U4.H11@1412.31,993.74 1415.75,993.74 1420.12,998.12 1431.5,998.12 v1(1431.73,998.34) ; U6.T3@2015.22,785.71 v1(2038.7,785.73)
  Signal[2] w6: v1(1431.73,998.34) 1491.66,998.34 1497.98,992.02 1634,992.02 1689,937.02 1689,798 1716.57,770.43 1719.54,767.46 1729.51,767.46 cw(c1729.51,761.46) 1735.51,761.46 1735.51,751.82 ccw(c1740.47,751.82) 1745.44,751.82 1745.44,767.49 cw(c1750.41,767.49) 1755.38,767.49 1755.38,751.82 ccw(c1760.35,751.82) 1765.32,751.82 1765.32,767.49 cw(c1770.29,767.49) 1775.25,767.49 1775.25,751.82 ccw(c1780.22,751.82) 1785.19,751.82 1785.19,767.49 cw(c1790.16,767.49) 1795.13,767.49 1795.13,751.82 ccw(c1800.1,751.82) 1805.06,751.82 1805.06,767.49 cw(c1810.03,767.49) 1815,767.49 1815,751.82 ccw(c1819.97,751.82) 1824.94,751.82 1824.94,767.49 cw(c1829.91,767.49) 1834.88,767.49 1834.88,751.82 ccw(c1839.84,751.82) 1844.81,751.82 1844.81,767.49 cw(c1849.78,767.49) 1854.75,767.49 1854.75,751.82 ccw(c1859.72,751.82) 1864.69,751.82 1864.69,767.49 cw(c1869.65,767.49) 1874.62,767.49 1874.62,758.73 ccw(c1879.59,758.73) 1884.56,758.73 1884.56,761.46 cw(c1890.56,761.46) 1890.56,767.46 1925.77,767.46 1943,767.46 1961.27,785.73 v1(2038.7,785.73)
ADD14: U4.H13 U6.T7 | length 1152.9
  TOP w7: U4.H13@1491.05,994.13 U4.H13@1491.05,993.74 1508.43,976.37 v1(1508.43,975.98) ; v1(2128.19,799.34) 2128.19,799.03 2141.2,786.02 U6.T7@2141.2,785.71
  Signal[2] w6: v1(1508.43,975.98) 1508.43,954.57 1516,947 1649,947 1674,922 1674,765 1707,732 1912.6,732 1935.15,732 ccw(c1935.15,738) 1941.15,738 cw(c1946.12,738) 1951.09,738 1951.09,732 ccw(c1956.06,732) 1961.03,732 1961.03,748.69 cw(c1966,748.69) 1970.97,748.69 1970.97,731.97 ccw(c1975.93,731.97) 1980.9,731.97 1980.9,751.05 cw(c1985.87,751.05) 1990.84,751.05 1990.84,731.97 ccw(c1995.81,731.97) 2000.78,731.97 2000.78,751.05 cw(c2005.74,751.05) 2010.71,751.05 2010.71,731.97 ccw(c2015.68,731.97) 2020.65,731.97 2020.65,751.05 cw(c2025.62,751.05) 2030.59,751.05 2030.59,731.97 ccw(c2035.56,731.97) 2040.52,731.97 2040.52,751.05 cw(c2045.49,751.05) 2050.46,751.05 2050.46,738 ccw(c2056.46,738) 2056.46,732 2060.85,732 2065.88,737.03 v1(2128.19,799.34)
AGND: C37.1 C52.1 C53.1 C54.1 CNT4.36 L4.2 U4.G7 U4.H7 U5.3 | length 108.7
  TOP w7: v1(1233.73,1003.34) 1234.65,1002.42 1242.72,1002.42 1251.21,993.94 U4.H7@1254.83,993.94
  TOP w12: v1(1240.72,1046.08) 1251.75,1035.05 1252.9,1035.05 U4.G7@1254.83,1033.12
  Bottom Layer w15: v1(1236.87,897.63) 1237.98,897.63 1249.26,908.91 1249.26,917.94 C54.1@1252,920.68 ; v1(1240.72,1046.08) 1253.67,1033.1 1253.67,1021.08 C37.1@1256.41,1018.34
  other v1: 890,808 880,835 880,854 805,885 882,888 805,900